# Altium PCB Nuio_LeftKeyboard_Rev_E.PcbDoc (part 3 of 3)
Units mm, origin at the board's own origin, x right, y up, seen from the top; angles counter-clockwise.
Board outline 89.01 x 24.63 mm, 4 copper layers (Top Layer, GND1, GND2, Bottom Layer), stack 0.971 mm thick; 150 components, 103 nets, 610 pads, 449 vias.
Unrouted connection lines stored in the file: 24.
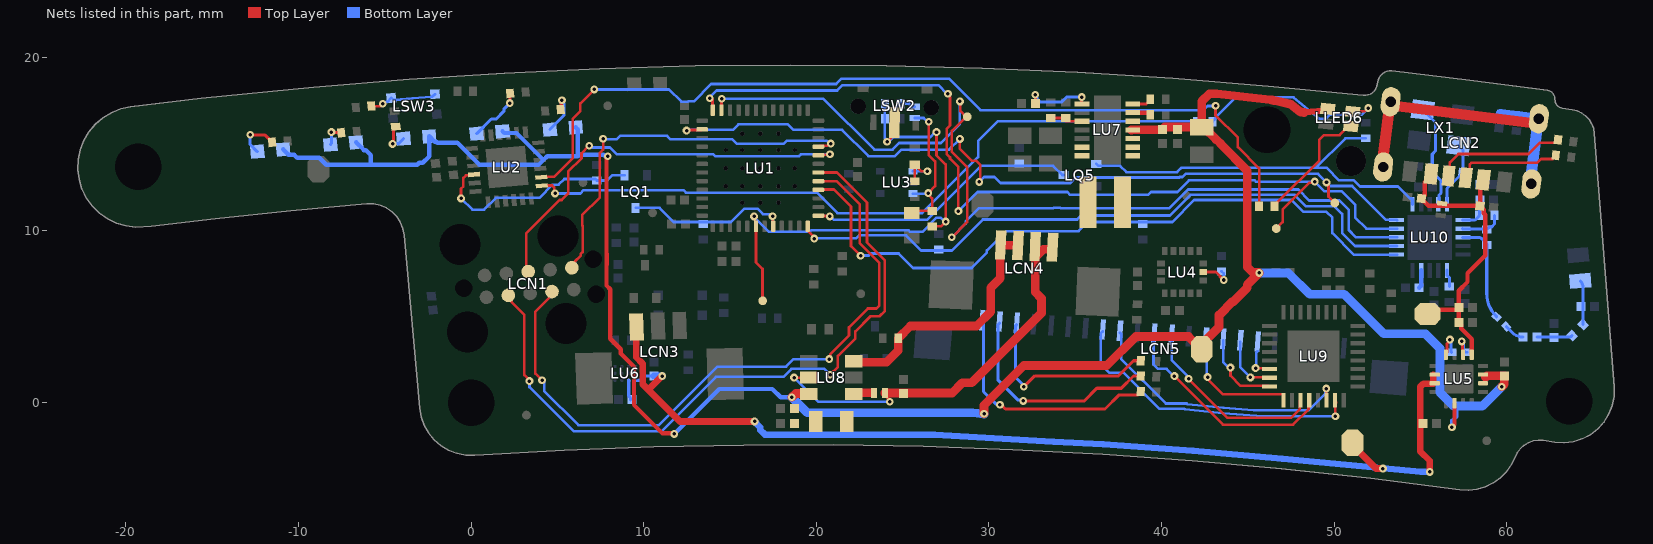
[diagram p5: the nets of this part, all layers, seen from the top]

## Via types
v1: diameter 0.45, hole 0.203, Top Layer to Bottom Layer, tented both sides, 435 vias
v2: diameter 0.406, hole 0.203, Top Layer to Bottom Layer, tented both sides, 14 vias

## Nets (pads, with @x,y where several pads share a name; then routed paths per layer and width w, separated by ;. In a path a pad name is that pad's centre, name@x,y a point inside that pad or via, vN(x,y) a via of type N, cw(c..) or ccw(c..) an arc to the next point about the centre after c; other vN are vias at no path point) (continued)
MTCK: LCN1.8 LU1.20 | length 23.5
  Top Layer w0.152: LCN1.8@3.192,7.896 3.189,7.898 3.189,9.81 5.121,11.742 5.246,11.742 5.619,12.116 5.619,13.386 6.396,14.163 6.396,14.445 v1(6.842,14.891) ; LU1.20@20.17,14.337 20.197,14.364 20.765,14.364 v1(20.792,14.391)
  Bottom Layer w0.152: v1(6.842,14.891) 6.869,14.917 6.897,14.917 7.024,14.79 8.046,14.79 8.449,14.387 14.03,14.387 14.134,14.283 19,14.283 19.108,14.391 v1(20.792,14.391)
MTDI: LCN1.2 LU1.18 | length 41.1
  Top Layer w0.152: LCN1.2@2.34,5.963 2.34,5.837 3.087,5.091 3.087,1.606 3.381,1.312 v1(3.381,1.259) ; LU1.18@20.17,13.337 21.192,13.337 22.938,11.591 22.938,9.285 23.97,8.253 23.97,5.32 23.661,5.011 23.146,5.011 22.264,4.129 22.264,3.724 21.248,2.708 21.248,2.076 v1(20.797,1.625)
  Bottom Layer w0.152: v1(3.381,1.259) 3.381,0.907 5.948,-1.66 11.021,-1.66 14.18,1.5 18.09,1.5 18.553,1.963 20.46,1.963 v1(20.797,1.625)
MTDO: LCN1.6 LU1.21 | length 22.3
  Top Layer w0.152: LCN1.6@5.937,8.105 5.955,8.105 6.034,8.184 6.034,8.202 6.344,8.512 6.344,8.609 6.458,8.723 6.458,10.247 6.437,10.268 ; 6.436,10.267 6.436,10.864 7.459,11.887 7.459,14.47 7.647,14.658 v1(7.647,15.295) ; LU1.21@20.17,14.837 20.221,14.888 20.631,14.888 20.76,15.016 v1(20.84,15.016)
  Bottom Layer w0.152: v1(7.647,15.295) 7.677,15.265 8.436,15.265 8.636,15.464 11.357,15.464 11.557,15.265 15.135,15.265 15.385,15.015 18.123,15.015 18.279,15.171 20.605,15.171 20.76,15.016 v1(20.84,15.016)
MTMS: LCN1.4 LU1.17 | length 38.8
  Top Layer w0.152: v1(4.113,1.307) 3.722,1.698 3.722,5.273 LCN1.4@4.595,6.146 ; LU1.17@20.17,12.837 21.169,12.837 22.518,11.488 22.518,9.235 23.649,8.104 23.649,5.635 23.476,5.461 22.987,5.461 21.895,4.369 21.895,3.898 20.81,2.812 20.81,2.583 v1(20.755,2.529)
  Bottom Layer w0.152: v1(4.113,1.307) 4.167,1.252 4.23,1.252 4.23,0.693 6.218,-1.295 10.877,-1.295 14.263,2.09 18.249,2.09 18.688,2.529 v1(20.755,2.529)
NetLC10_1: LC10.1 LD1.2 LR7.2 LU3.3 | length 8.5
  Top Layer w0.152: LC10.1@25.654,11.049 25.719,11.114 LR7.2@26.712,11.114 26.712,11.841 26.488,12.065 v1(26.488,12.146) 26.888,12.546 26.888,13.976 26.509,14.355 v1(26.509,16.282)
  Bottom Layer w0.152: LU3.3@25.602,12.108 26.45,12.108 v1(26.488,12.146) ; LD1.2@25.693,16.497 26.221,16.497 26.436,16.282 v1(26.509,16.282)
NetLC21_1: LC21.1 LCN2.SHELL1 LCN2.SHELL2 LCN2.SHELL3 LCN2.SHELL4 LR19.1 | length 18.7
  Top Layer w0.635: LCN2.SHELL1@52.744,13.466 52.781,13.764 53.179,16.939 53.216,17.237 LCN2.SHELL3@61.789,16.163
  Bottom Layer w0.635: LC21.1@59.651,16.711 60.667,16.584 61.824,16.439 61.789,16.163 61.752,15.866 61.354,12.691 LCN2.SHELL2@61.317,12.393
NetLC23_1: LC23.1 LU6.A3 | length 1.2
  Bottom Layer w0.178: LU6.A3@9.135,1.3 9.135,0.379 9.232,0.282 LC23.1@9.232,0.155
NetLC26_1: LC26.1 LCN4.3 LCN4.4 LD3.1 LU8.5 | length 23.2
  Top Layer w0.152: v1(18.708,1.455) LU8.5@19.492,1.455 ; LD3.1@23.986,0.566 23.986,0.441 24.196,0.231 24.196,0.085 v1@24.171,0.061 ; v1@24.169,0.058 v1@24.171,0.061 ; v1(24.253,0.061) v1@24.171,0.061
  Top Layer w0.508: LD3.1@23.986,0.566 27.871,0.566 28.46,1.155 29.008,1.155 33.04,5.187 33.04,6.052 32.68,6.413 32.68,8.423 33.147,8.89 33.594,8.89 33.679,8.975 LCN4.4@33.679,9.01
  Bottom Layer w0.152: v1(18.708,1.455) 20.105,0.058 24.25,0.058 v1(24.253,0.061)
NetLC32_1: LC32.1 LU7.1 | length 4
  Top Layer w0.178: v1(32.678,17.838) 32.687,17.829 32.687,17.34 LC32.1@32.697,17.33 ; v1(35.374,17.707) 35.374,17.367 35.435,17.306 LU7.1@35.464,17.306
  Bottom Layer w0.178: v1(32.678,17.838) 32.678,17.776 32.769,17.685 32.769,17.62 32.977,17.412 34.194,17.412 34.489,17.707 v1(35.374,17.707)
NetLC39_1: LC39.1 LU10.19 | length 1.1
  Bottom Layer w0.254: LC39.1@54.922,6.662 55.036,6.776 55.036,7.681 LU10.19@55.038,7.683
NetLC40_1: LC40.1 LL3.2 | length 1.2
  Bottom Layer w0.178: LL3.2@59.973,4.416 60.323,4.066 ccw(c60.941,4.684) LC40.1@60.941,3.81
NetLC40_2: LC40.2 LC41.1 LR45.1 | length 2.1
  Bottom Layer w0.178: LC40.2@61.741,3.81 63.598,3.81 ccw(c63.598,4.076) LR45.1@63.787,3.888
NetLC42_1: LC42.1 LE1.1 LR45.2 | length 2.6
  Bottom Layer w0.178: LE1.1@64.263,7.058 cw(c63.877,6.672) 64.423,6.672 LR45.2@64.423,4.524
NetLC43_1: LC43.1 LC44.1 LL5.2 LU10.11 | length 2.9
  Bottom Layer w0.178: LU10.11@57.438,10.583 58.17,10.583 58.39,10.803 LL5.2@58.39,10.853 58.415,10.878 58.415,12.606 LC44.1@58.44,12.631
NetLC45_1: LC45.1 LU10.9 LX1.3 | length 6.1
  Bottom Layer w0.178: LX1.3@55.143,16.969 55.146,16.969 55.874,16.24 55.874,14.593 55.681,14.399 LC45.1@55.681,13.597 55.869,13.409 55.869,13.18 56.185,12.864 56.185,12.144 56.074,12.033 56.074,11.519 LU10.9@56.038,11.483
NetLC46_1: LC46.1 LU10.10 LX1.1 | length 3.9
  Bottom Layer w0.178: LU10.10@56.538,11.483 56.538,12.422 LC46.1@57.459,13.343 57.459,14.641 LX1.1@57.202,14.897
NetLCN2_A5: LCN2.A5 LR14.2 | length 6.1
  Top Layer w0.152: LCN2.A5@57.617,13.033 57.845,13.261 57.845,13.796 57.951,13.901 61.761,13.901 61.984,14.125 62.657,14.125 62.838,14.306 LR14.2@62.838,14.338
NetLCN2_B5: LCN2.B5 LR15.2 | length 7.6
  Top Layer w0.152: LCN2.B5@56.624,13.147 56.702,13.225 56.702,13.922 57.189,14.409 61.253,14.409 61.902,15.058 62.796,15.058 LR15.2@62.965,15.227
NetLCN4_1: LCN4.1 LCN4.2 LR26.1 LU8.3 | length 14.7
  Top Layer w0.508: LU8.3@22.167,2.405 22.226,2.346 24.063,2.346 24.746,3.029 LR26.1@24.746,3.741 24.754,3.741 25.458,4.445 29.278,4.445 30.109,5.276 30.109,6.663 30.657,7.211 30.657,9.123 LCN4.1@30.682,9.148 30.705,9.125 31.658,9.125 LCN4.2@31.681,9.102
NetLCN5_20: LCN5.20 LR41.1 | length 11.2
  Top Layer w0.178: v1(32.02,0.924) 32.658,1.561 37.502,1.561 38.375,2.434 LR41.1@38.793,2.434
  Bottom Layer w0.178: LCN5.20@31.608,4.527 31.549,4.468 31.549,1.721 31.559,1.711 31.559,1.458 32.02,0.997 v1(32.02,0.924)
NetLCN5_21: LCN5.21 LR43.1 | length 12.7
  Top Layer w0.178: v1(31.987,0.106) 35.52,0.106 36.254,0.841 37.671,0.841 38.375,1.545 LR43.1@38.793,1.545
  Bottom Layer w0.178: LCN5.21@30.611,4.604 30.516,4.509 30.516,1.33 31.694,0.153 31.94,0.153 v1(31.987,0.106)
NetLCN5_22: LCN5.22 LR42.1 | length 14
  Top Layer w0.178: v1(30.635,-0.116) 30.709,-0.116 30.953,-0.36 36.724,-0.36 37.544,0.46 38.645,0.46 38.793,0.608 LR42.1@38.793,0.656
  Bottom Layer w0.178: LCN5.22@29.614,4.681 29.681,4.614 29.681,0.642 30.386,-0.064 30.583,-0.064 v1(30.635,-0.116)
NetLD1_1: LD1.1 LR5.2 | length 0.9
  Bottom Layer w0.178: LR5.2@24.873,17.33 25.385,17.33 25.568,17.147 LD1.1@25.693,17.147
NetLD3_2: LD3.2 LL2.2 LU8.1 | length 1
  Top Layer w0.508: LU8.1@22.242,0.605 22.261,0.586 LD3.2@23.225,0.586
NetLL1_1: LL1.1 LU7.8 LU7.9
NetLL1_2: LL1.2 LU7.6 LU7.7
NetLL3_1: LL3.1 LL4.1 LU10.13 | length 5.9
  Bottom Layer w0.178: LU10.13@57.438,9.583 58.332,9.583 cw(c58.332,9.238) 58.576,9.482 LL4.1@58.856,9.202 ; LL4.1@58.84,9.133 58.84,6.352 ccw(c60.777,6.352) LL3.1@59.407,4.982
NetLL4_2: LL4.2 LL5.1 LU10.12 | length 2.5
  Bottom Layer w0.178: LU10.12@57.438,10.083 57.463,10.058 58.815,10.058 LL4.2@58.84,10.033 58.976,10.169 59.106,10.169 59.29,10.353 LL5.1@59.29,10.853
NetLLED1_2: LLED1.2 LR30.1 | length 2.6
  Top Layer w0.178: v1(-12.796,15.523) -11.957,15.523 -11.731,15.297 -11.685,15.297 -11.526,15.138 LR30.1@-11.526,15.093
  Bottom Layer w0.178: v1(-12.796,15.523) -12.796,14.958 LLED1.2@-12.383,14.545
NetLLED2_2: LLED2.2 LR31.1 | length 1.3
  Top Layer w0.178: v1(-8.089,15.679) -8.072,15.662 -7.543,15.662 LR31.1@-7.522,15.64
  Bottom Layer w0.178: LLED2.2@-8.153,14.953 -8.089,15.016 v1(-8.089,15.679)
NetLLED3_2: LLED3.2 LR32.1 | length 1.8
  Top Layer w0.178: v1(-4.547,14.993) -4.495,15.045 -4.495,15.865 LR32.1@-4.367,15.993
  Bottom Layer w0.178: v1(-4.547,14.993) -4.53,15.01 -4.208,15.01 LLED3.2@-3.917,15.302
NetLLED4_2: LLED4.2 LR33.1 | length 3.3
  Top Layer w0.178: v1(2.24,17.363) 2.251,17.373 2.251,17.92 LR33.1@2.257,17.926
  Bottom Layer w0.178: LLED4.2@0.324,15.591 1.174,16.441 1.459,16.441 1.9,16.882 1.9,17.008 2.24,17.349 v1(2.24,17.363)
NetLLED5_2: LLED5.2 LR34.1 | length 2.6
  Top Layer w0.178: LR34.1@5.186,16.988 5.223,17.025 5.223,17.479 v1(5.264,17.521)
  Bottom Layer w0.178: LLED5.2@4.568,15.821 4.568,15.839 5.373,16.643 5.373,17.338 5.264,17.447 v1(5.264,17.521)
NetLLED6_1: LLED6.1 LR35.2 | length 11.4
  Top Layer w0.152: LLED6.1@50.996,16.887 51.748,16.887 51.935,17.074 v1(51.978,17.074)
  Bottom Layer w0.152: LR35.2@42.955,16.287 43.103,16.436 43.103,16.503 44.288,17.688 47.644,17.688 49.13,16.458 49.513,16.458 49.73,16.675 51.58,16.675 v1(51.978,17.074)
NetLLED6_2: LLED6.2 LR37.2 | length 7
  Top Layer w0.152: LR37.2@46.521,11.415 46.528,11.415 46.698,11.585 46.698,11.593 49.146,14.04 49.146,15.243 49.403,15.501 50.322,15.501 50.862,16.041 LLED6.2@50.907,16.041
NetLR9_2: LR9.2 LR10.1 LU3.1 | length 2.7
  Top Layer w0.152: LR10.1@25.693,12.827 LR9.2@25.693,13.79 26.069,13.414 v1(26.434,13.414)
  Bottom Layer w0.152: LU3.1@25.602,13.408 LU3.1@25.604,13.411 26.431,13.411 v1(26.434,13.414)
NetLR11_1: LR11.1 LU4.7 | length 2.2
  Top Layer w0.152: LU4.7@42.412,7.572 43.145,7.572 v1(43.606,7.111) 43.566,7.111 43.379,7.297
  Bottom Layer w0.152: LR11.1@43.473,7.609 43.606,7.476 v1(43.606,7.111)
NetLR21_1: LR21.1 LU5.16 | length 1.7
  Top Layer w0.178: LU5.16@56.473,2.853 56.525,2.904 56.525,3.403 56.708,3.586 v1(56.708,3.66)
  Bottom Layer w0.178: v1(56.708,3.66) 56.76,3.608 56.76,3.454 56.779,3.435 56.779,2.95 LR21.1@56.808,2.921
NetLR22_1: LR22.1 LU5.14 | length 1.5
  Top Layer w0.152: v1(57.395,3.551) 57.435,3.512 57.435,2.893 LU5.14@57.474,2.853
  Bottom Layer w0.152: v1(57.395,3.551) 57.395,3.471 57.498,3.368 57.498,3.07 57.647,2.921 LR22.1@57.697,2.921
NetLR23_2: LR23.2 LU7.14 | length 1.2
  Top Layer w0.152: LU7.14@38.264,17.306 39.112,17.306 39.34,17.534 LR23.2@39.34,17.584
NetLR24_2: LR24.2 LR27.1 LU7.3 | length 2
  Top Layer w0.152: LR27.1@33.567,16.499 34.269,16.499 34.462,16.306 LU7.3@35.464,16.306
NetLR28_1: LR28.1 LU7.13 | length 1.1
  Top Layer w0.254: LU7.13@38.264,16.806 39.242,16.806 39.34,16.708 LR28.1@39.34,16.695
NetLR29_2: LR29.2 LSW3.3 LSW3.4 | length 4
  Top Layer w0.152: LR29.2@-5.775,17.184 -5.25,17.184 v1(-5.116,17.318)
  Bottom Layer w0.152: v1(-5.116,17.318) -5.036,17.318 -4.926,17.428 -4.85,17.428 -4.627,17.65 LSW3.3@-4.627,17.654 -4.418,17.542 -3.418,17.629 ccw(c-3.458,18.081) -3.415,17.629 -2.274,17.729 LSW3.4@-2.087,17.877
NetLR49_1: LR49.1 LU10.16 | length 1
  Bottom Layer w0.178: LU10.16@56.538,7.683 56.538,7.383 56.574,7.347 56.577,7.347 56.681,7.243 LR49.1@56.681,6.731
NRF_CE: LR46.2 LU1.16 LU10.1 | length 40.3
  Top Layer w0.152: LU1.16@20.17,12.337 20.19,12.357 21.014,12.357 22.01,11.361 22.01,9.069 v1(22.561,8.517)
  Bottom Layer w0.152: v1@22.561,8.527 23.037,8.527 23.153,8.643 24.771,8.643 25.608,7.805 28.995,7.805 29.884,8.694 29.884,8.821 31.003,9.94 35.194,9.94 35.726,10.472 38.898,10.472 39.481,10.472 40.62,10.472 41.89,11.742 47.537,11.742 48.217,11.062 49.55,11.062 49.889,10.722 49.889,9.825 51.131,8.583 LU10.1@53.638,8.583
NRF_CS: LR48.1 LU1.12 LU10.2 | length 38.2
  Top Layer w0.152: LU1.12@19.504,10.151 19.504,9.955 19.884,9.575 v1(19.884,9.51)
  Bottom Layer w0.152: v1(19.884,9.51) 19.894,9.521 22.312,9.521 22.484,9.693 25.202,9.693 26.074,8.821 27.09,8.821 27.852,8.821 29.65,10.619 30.714,10.619 ; 30.715,10.619 35.11,10.619 35.34,10.848 40.487,10.848 41.685,12.047 47.709,12.047 48.378,11.377 50.015,11.377 50.458,10.935 50.458,9.837 51.212,9.083 LU10.2@53.638,9.083
NRF_INT: LQ5.3 LR44.2 LU1.13 | length 15.8
  Top Layer w0.152: LU1.13@20.17,10.837 20.192,10.815 20.751,10.815 v1(20.772,10.794)
  Bottom Layer w0.152: v1(20.772,10.794) 20.816,10.794 21.01,10.599 26.402,10.599 29.526,13.723 33.72,13.723 34.253,13.191 LQ5.3@34.318,13.191
NRF_INT_RAW: LQ5.1 LR47.2 LU10.6 | length 23.2
  Bottom Layer w0.152: LQ5.1@36.218,13.841 36.335,13.723 37.597,13.723 37.965,13.355 40.895,13.355 41.134,13.594 ; 41.145,13.605 49.573,13.605 50.293,12.885 51.143,12.885 51.499,12.529 53.7,12.529 54.397,11.832 54.489,11.832 54.538,11.783 LU10.6@54.538,11.483 ; 48.958,13.62 50.658,15.321 LR47.2@51.836,15.321
RESET_RAW: LR5.1 LR7.1 LR8.1 LSW2.2 LTP14.1 LU1.6 | length 30
  Top Layer w0.152: v1(16.393,10.793) 16.45,10.736 16.45,10.624 16.455,10.62 16.455,10.27 LU1.6@16.504,10.222 ; LU1.6@16.504,10.171 16.504,8.132 16.88,7.755 16.88,5.915 LTP14.1@16.89,5.905 ; v1(24.097,15.119) 24.53,15.552 LSW2.2@24.53,16.231 ; LR7.1@26.712,10.214 27.215,10.214 v1(27.494,10.493) ; v1(26.962,15.679) 26.962,14.332 27.494,13.8 v1(27.494,10.493)
  Bottom Layer w0.152: v1(16.393,10.793) 16.393,10.762 17.249,9.906 19.638,9.906 19.73,9.998 25.328,9.998 25.42,9.906 26.14,9.906 26.96,10.726 27.181,10.726 27.414,10.493 v1(27.494,10.493) ; LR5.1@23.973,17.33 LR8.1@23.973,16.441 23.973,15.323 24.097,15.199 v1(24.097,15.119) 24.177,15.119 24.458,15.399 26.601,15.399 26.882,15.679 v1(26.962,15.679)
ROW0: LCN5.12 LU9.12 | length 13
  Top Layer w0.152: v1(40.742,1.545) 43.558,-1.27 47.625,-1.27 48.513,-0.382 48.513,0.104 LU9.12@48.557,0.148
  Bottom Layer w0.152: LCN5.12@39.584,3.911 39.536,3.862 39.536,2.217 39.79,1.963 40.298,1.963 v1@40.729,1.532
ROW1: LCN5.9 LU9.9 | length 7.4
  Top Layer w0.152: v1(42.667,1.484) 42.724,1.427 42.724,1.308 43.535,0.497 47.013,0.497 47.057,0.453 LU9.9@47.057,0.148
  Bottom Layer w0.152: LCN5.9@42.575,3.68 42.61,3.645 42.61,1.541 v1(42.667,1.484)
ROW2: LCN5.8 LU9.8 | length 4.7
  Top Layer w0.152: v1(43.993,2.037) 43.993,1.57 44.588,0.975 LU9.8@46.156,0.975
  Bottom Layer w0.152: LCN5.8@43.572,3.602 43.572,2.347 43.826,2.094 43.936,2.094 v1(43.993,2.037)
ROW3: LCN5.6 LU9.6 | length 1.7
  Top Layer w0.152: v1(45.446,2.009) 45.463,1.992 46.14,1.992 LU9.6@46.157,1.975
  Bottom Layer w0.152: v1(45.446,2.009) 45.489,2.052 45.489,2.915 45.548,2.973 LCN5.6@45.567,2.973
ROW4: LCN5.7 LU9.7 | length 3.4
  Top Layer w0.152: v1(45.151,1.468) 46.149,1.468 LU9.7@46.157,1.475
  Bottom Layer w0.152: LCN5.7@44.569,3.525 44.569,2.049 v1(45.151,1.468) v1@45.151,1.537
ROW5: LCN5.11 LU9.11 | length 11
  Top Layer w0.152: v1(41.563,1.386) 43.822,-0.873 47.51,-0.873 48.013,-0.37 48.013,0.104 LU9.11@48.057,0.148
  Bottom Layer w0.152: LCN5.11@40.581,3.834 40.581,2.486 v1@41.622,1.445 ; v1(41.563,1.386) 41.568,1.386 v1@41.625,1.443
ROW6: LCN5.15 LU9.15 | length 17.6
  Top Layer w0.152: LU9.15@50.057,0.075 50.125,0.006 50.067,-0.053 50.067,-0.77 v1(50.077,-0.78)
  Bottom Layer w0.152: LCN5.15@36.593,4.142 36.488,4.036 36.488,2.217 36.965,1.74 37.789,1.74 39.877,-0.348 40.578,-0.348 41.265,-0.348 41.324,-0.348 41.349,-0.374 43.558,-0.602 45.893,-0.784 v1@50.072,-0.784
ROW7: LCN5.14 LU9.14 | length 15.9
  Top Layer w0.152: v1(49.543,0.821) 49.55,0.814 49.55,0.155 LU9.14@49.557,0.148
  Bottom Layer w0.152: LCN5.14@37.59,4.065 37.662,3.993 37.662,2.542 40.248,-0.044 41.387,-0.044 41.45,-0.044 41.488,-0.082 43.585,-0.299 45.34,-0.436 48.518,-0.436 49.49,0.536 49.49,0.768 v1(49.543,0.821)
STATUS_LEDG: LR37.1 LU2.8 | length 51.3
  Top Layer w0.152: LU2.8@4.059,13.068 4.078,13.087 4.813,13.087 5.881,14.155 5.881,16.435 6.334,16.888 6.334,17.342 v1(7.141,18.149) ; v1(43.128,17.205) 43.128,16.646 44.417,15.357 44.417,14.803 45.649,13.571 LR37.1@45.649,11.387
  Bottom Layer w0.152: v1(7.141,18.149) 11.465,18.149 12.176,17.438 12.552,17.438 12.57,17.457 12.901,17.457 13.91,18.466 21.145,18.466 21.449,18.77 27.681,18.77 29.503,16.949 42.43,16.949 42.674,17.193 43.116,17.193 v1(43.128,17.205)
STATUS_LEDR: LR35.1 LU2.7 | length 41.8
  Top Layer w0.152: LU2.7@4.102,12.57 4.121,12.588 4.692,12.588 4.808,12.472 4.808,12.18 v1(4.865,12.123)
  Bottom Layer w0.152: v1(4.865,12.123) 6.326,12.123 6.518,12.314 12.293,12.314 12.441,12.167 20.041,12.167 21.227,10.98 26.122,10.98 29.376,14.234 29.376,15.171 30.519,16.314 LR35.1@42.134,16.314
UI_INT: LQ1.3 LR4.2 LU1.8 | length 9.4
  Top Layer w0.152: v1(17.466,10.807) 17.485,10.789 17.485,10.24 LU1.8@17.504,10.222
  Bottom Layer w0.152: LQ1.3@9.536,11.286 10.92,11.286 11.737,10.469 15.058,10.469 15.836,11.247 16.581,11.247 16.906,10.922 17.271,10.922 17.386,10.807 v1(17.466,10.807)
UI_INT_RAW: LQ1.1 LR6.2 LU2.22 | length 12.6
  Top Layer w0.152: v1(-0.582,11.838) -0.582,12.403 -0.445,12.54 -0.445,13.025 -0.298,13.172 0.112,13.172 LU2.22@0.17,13.23
  Bottom Layer w0.152: v1(-0.582,11.838) 0.07,11.186 0.752,11.186 1.436,11.869 3.963,11.869 4.725,12.632 5.073,12.632 5.407,12.966 7.201,12.966 LR6.2@7.288,12.879 7.878,12.879 8.186,13.186 LQ1.1@8.886,13.186
USB_VIN: LC16.1 LC17.1 LC18.1 LC19.1 LCN2.A9 LCN2.B9 LD2.1 LTP1.1 LU5.13 | length 17.9
  Top Layer w0.254: LTP1.1@55.411,5.138 55.666,5.394 57.085,5.394 LC18.1@57.218,5.527 ; LCN2.A9@55.512,13.039 55.238,12.764 55.238,12.015 LC17.1@55.046,11.824 55.464,11.406 LC16.1@58.442,11.406 ; LU5.13@57.974,2.853 57.974,3.686 57.36,4.3 57.36,4.509 LC19.1@57.227,4.642 57.218,4.651 LC18.1@57.218,5.527 ; LCN2.B9@58.529,12.661 58.472,12.604 58.472,11.436 LC16.1@58.442,11.406 ; LC18.1@57.218,5.527 57.218,6.494 57.724,7 57.724,7.498 58.753,8.527 58.753,10.888 58.67,10.971 58.67,11.179 LC16.1@58.442,11.406
VBAT: LC20.1 LC22.1 LCN3.1 LTP11.1 LU5.2 LU5.3 LU6.A4 | length 62.3
  Top Layer w0.381: LCN3.1@9.581,4.396 9.564,4.378 9.564,2.639 9.934,2.269 9.934,1.085 10.199,0.82 ; v1(11.079,1.545) 11.06,1.545 10.336,0.82 10.199,0.82 ; v1(16.422,-1.085) 12.104,-1.085 10.199,0.82 ; LTP11.1@51.066,-2.324 51.066,-2.451 52.424,-3.81 52.822,-3.81 v1(52.827,-3.815) ; v1(55.538,-4.006) 55.533,-4.001 55.533,-3.366 54.981,-2.814 54.981,0.91 55.182,1.111 55.732,1.111 55.749,1.128 LU5.2@55.749,1.628
  Bottom Layer w0.178: LU6.A4@9.535,1.3 9.539,1.304 9.805,1.304 10.059,1.558 10.581,1.558 LC22.1@10.586,1.554
  Bottom Layer w0.381: LC22.1@10.586,1.554 10.591,1.549 11.074,1.549 v1(11.079,1.545) ; v1(16.422,-1.085) 16.422,-1.092 16.755,-1.425 16.755,-1.578 17.025,-1.847 26.824,-1.847 cw(c26.824,-2.228) 26.847,-1.848 33.748,-2.262 36.613,-2.414 cw(c36.583,-2.985) 36.624,-2.415 41.811,-2.786 cw(c41.77,-3.356) 41.822,-2.787 47.002,-3.253 cw(c46.95,-3.822) 47.004,-3.253 52.828,-3.799 55.03,-4.006 v1(55.538,-4.006)
VSPI_CLK: LTP3.1 LU1.35 LU10.3 | length 55.6
  Top Layer w0.152: LU1.35@14.504,17.003 14.51,17.009 14.51,17.603 v1(14.515,17.609) ; v1(27.852,9.583) 28.741,10.472 28.741,13.647 27.852,14.536 27.852,15.743 LTP3.1@28.677,16.568 ; v1(28.319,17.452) 28.346,17.426 28.346,16.899 LTP3.1@28.677,16.568 ; LTP3.1@28.741,16.568 LTP3.1@28.677,16.568
  Bottom Layer w0.152: v1(14.515,17.609) 20.411,17.609 23.357,14.663 24.423,14.663 24.804,15.044 27.217,15.044 28.319,16.147 v1(28.319,17.452) ; v1(27.852,9.583) 28.654,10.386 28.654,10.513 29.4,11.258 33.725,11.258 33.761,11.295 34.137,11.295 34.174,11.258 40.444,11.258 41.537,12.352 47.92,12.352 48.552,11.72 50.302,11.72 50.839,11.183 50.839,10.022 51.278,9.583 LU10.3@53.638,9.583
VSPI_MISO: LTP5.1 LU1.38 LU10.5 | length 48.2
  Top Layer w0.152: v1(12.482,15.767) 12.518,15.802 13.303,15.802 LU1.38@13.338,15.837 ; v1(28.317,15.282) 28.317,14.706 28.995,14.028 29.249,14.028 29.503,13.774 29.503,13.033 29.494,13.025 29.494,12.852 v1(29.437,12.795) ; v1@49.673,12.579 49.673,11.944 LTP5.1@50.041,11.576
  Bottom Layer w0.152: v1(12.482,15.767) 12.522,15.806 15.171,15.806 15.494,16.129 18.346,16.129 18.669,15.806 21.502,15.806 23.026,14.282 24.55,14.282 24.931,14.663 27.697,14.663 v1(28.317,15.282) ; v1(29.437,12.795) 29.723,13.081 30.318,13.081 30.671,12.727 34.715,12.727 35.037,13.05 41.021,13.05 41.052,13.081 41.209,13.081 41.394,13.266 49.061,13.266 49.772,12.555 51.042,12.555 51.663,11.933 52.998,10.599 53.622,10.599 LU10.5@53.638,10.583
  other v1: 49.556,12.765
VSPI_MOSI: LTP8.1 LU1.36 LU10.4 | length 54
  Top Layer w0.152: v1(13.832,17.639) 13.912,17.639 13.977,17.575 13.988,17.575 13.988,17.02 LU1.36@14.004,17.003 ; v1(27.627,17.898) 27.627,17.817 27.741,17.704 27.741,16.063 27.547,15.869 27.547,14.41 27.741,14.215 27.741,14.138 28.233,13.647 v1(28.233,11.107) ; LTP8.1@46.648,10.091 47.016,10.459 47.016,11.209 48.562,12.756 48.833,12.756 v1@48.91,12.832
  Bottom Layer w0.152: v1(13.832,17.639) 13.832,17.701 14.223,18.092 21.202,18.092 21.51,18.4 27.074,18.4 27.576,17.898 v1(27.627,17.898) ; v1(28.233,11.107) 29.337,12.211 34.544,12.211 34.709,12.046 39.224,12.046 39.389,12.211 40.918,12.211 41.592,12.885 45.398,12.885 45.47,12.812 v1(48.873,12.812) ; v1@48.908,12.783 48.908,12.771 49.429,12.25 50.444,12.25 51.22,11.475 51.22,10.726 51.863,10.083 LU10.4@53.638,10.083
VSYS: LC15.1 LC24.1 LC25.1 LC27.1 LC28.1 LC29.1 LL2.1 LLED1.1 LLED2.1 LLED3.1 LLED4.1 LLED5.1 LLED6.4 LTP9.1 LU5.6 LU5.10 LU5.11 LU7.10 LU7.11 LU7.12 LU8.6 | length 134.6
  Top Layer w0.254: v1@7.845,14.26 7.845,8.637 7.852,8.63 7.852,7.984 7.845,7.978 7.845,6.792 8.067,6.57 8.067,3.713 8.675,3.106 8.675,2.852 9.437,2.09 9.437,-0.125 11.087,-1.775 11.733,-1.775 v1(11.765,-1.807) ; LLED6.4@49.496,16.981 LLED6.4@49.554,17.038 ; v1(56.821,-1.416) 56.974,-1.263 LU5.6@56.974,-0.097
  Top Layer w0.381: 48.248,16.818 49.373,16.908 49.428,16.941 LLED6.4@49.496,16.981
  Top Layer w0.508: v1(18.581,0.312) 18.803,0.534 19.421,0.534 LU8.6@19.492,0.605 ; v1(29.718,-0.635) 29.718,-0.14 32.017,2.159 36.83,2.159 38.503,3.832 41.562,3.832 LTP9.1@42.288,3.106 ; LU7.11@38.264,15.806 38.275,15.818 39.539,15.818 39.54,15.819 40.038,15.819 LC27.1@40.044,15.825 40.19,15.971 LC29.1@42.33,15.971 ; LTP9.1@42.182,3.254 43.336,4.408 43.336,5.076 44.129,5.87 44.175,5.87 44.971,6.666 44.971,6.835 v1(45.657,7.521) 45.615,7.563 45.269,7.563 44.971,7.86 44.971,13.44 43.411,15 43.411,15.014 43.173,15.252 43.159,15.252 42.751,15.661 42.751,15.75 42.53,15.971 LC29.1@42.33,15.971 ; 48.248,16.818 cw(c48.25,17.326) 47.928,16.933 47.927,16.934 47.501,17.285 ccw(c47.317,16.811) 47.43,17.307 47.428,17.307 46.494,17.518 ccw(c46.108,15.804) 46.307,17.549 43.201,17.904 ccw(c43.143,17.399) 43.143,17.907 42.777,17.907 42.33,17.46 LC29.1@42.33,15.971 ; 58.774,1.483 58.854,1.563 LC15.1@59.856,1.563 59.85,1.557 59.85,1.073 v1(59.703,0.926)
  Bottom Layer w0.254: LLED1.1@-10.889,14.676 -10.583,14.369 -10.254,14.369 -10.079,14.194 -8.799,14.194 -8.398,13.793 -5.803,13.793 ; LLED2.1@-6.658,15.084 -6.211,14.636 -6.103,14.636 -5.803,14.337 -5.803,13.793 ; LLED4.1@1.818,15.722 1.91,15.63 2.633,15.63 4.195,14.068 4.195,14.063 ; LLED5.1@6.062,15.952 6.178,15.836 6.178,14.377 6.273,14.377 ; v1(7.913,14.282) 7.875,14.32 7.737,14.32 7.679,14.377 6.273,14.377 ; v1(11.765,-1.807) 14.371,0.799 17.452,0.799 17.939,0.312 v1(18.581,0.312) ; v1(56.821,-1.416) 56.85,-1.386 56.85,-1.031 57.062,-0.819 57.062,-0.196 ; -5.803,13.793 -3.117,13.793 -3.009,13.901 -2.793,13.901 -2.422,14.272 LLED3.1@-2.422,15.433 -2.116,15.126 -2.023,15.126 -1.967,15.071 -0.803,15.071 0.472,13.796 3.929,13.796 4.195,14.063 ; 4.195,14.063 4.414,14.282 6.178,14.282 6.273,14.377
  Bottom Layer w0.508: v1(18.581,0.312) 19.47,-0.577 29.069,-0.577 v1@29.716,-0.649 ; v1(45.657,7.521) 47.343,7.521 48.583,6.281 50.585,6.281 52.871,3.995 55.284,3.995 56.126,3.152 56.126,0.612 56.935,-0.196 57.062,-0.196 58.581,-0.196 v1(59.703,0.926)
pads on no net: LCN1.0 LCN2.0 LLED6.3 LSW2.0 LU1.0 LU1.2 LU1.22 LU1.25 LU1.26 LU1.27 LU1.28 LU1.29 LU1.30 LU1.31 LU1.32 LU1.33 LU1.44 LU1.45 LU1.47 LU1.48 LU2.3 LU2.4 LU2.5 LU2.6 LU4.2 LU4.3 LU4.9 LU5.12 LU5.15 LU6.B3 LU6.B4 LU6.C3 LU6.C4 LU9.21 LU9.22 LU9.23 LU9.24

## Polygon pours and split planes (outlines as drawn)
GND on Top Layer "GND_TOP" (solid, remove dead copper, pour order 25): 67.349,-6.8 -38.696,-6.8 -38.696,22.41 67.349,22.41
NetLL1_2 on Top Layer "NetL2_2_TOP" (solid, remove dead copper, pour order 17): 35.945,15.053 35.945,13.628 36.509,13.064 36.509,9.889 34.731,9.889 34.477,10.143 34.477,14.842 34.687,15.053
NetLL1_1 on Top Layer "NetL2_1_TOP" (solid, remove dead copper, pour order 15): 37.764,15.023 39.019,15.023 39.61,14.432 39.61,10.114 39.356,9.86 37.197,9.86 37.197,13.035 37.764,13.602
VSYS on Top Layer "VSYS_TOP" (solid, remove dead copper, pour order 20): 37.808,16.466 37.808,16.477 37.808,15.146 38.697,15.146 39.231,15.679 39.231,15.933 38.672,16.492 37.808,16.492
VSYS on Top Layer "VSYS_TOP" (solid, remove dead copper, pour order 24): 58.252,0.978 59.903,0.978 60.284,1.359 60.284,1.867 58.252,1.867
VSYS on Top Layer "VSYS_TOP" (solid, remove dead copper, pour order 9): 18.327,0.566 18.708,0.947 20.105,0.947 20.105,-0.069 20.486,-0.45 20.486,-1.72 18.327,-1.72
NetLD3_2 on Top Layer "NetD2_2_TOP" (solid, remove dead copper, pour order 4): 21.248,-1.72 22.264,-1.72 23.534,-0.45 23.534,0.947 21.629,0.947 21.248,0.566
3V3 on Top Layer "3V3_TOP" (solid, remove dead copper, pour order 19): 33.221,15.974 33.135,16.06 30.772,16.06 30.594,15.882 30.594,15.046 30.721,14.919 34.277,14.919 34.521,15.162 35.967,15.162 35.967,15.974
GND on GND1 "GND_INNER1" (solid, remove dead copper, pour order 23): 67.349,-6.8 -38.696,-6.8 -38.696,22.41 67.349,22.41
GND on GND2 "GND_INNER2" (solid, remove dead copper, pour order 22): 67.349,-6.8 -38.696,-6.8 -38.696,22.41 67.349,22.41
GND on Bottom Layer "GND_BOT" (solid, remove dead copper, pour order 21): 67.349,-6.8 -38.696,-6.8 -38.696,22.41 67.349,22.41

## Keep-outs
Bottom Layer:
  circle w0.254: c63.611,0.079 r2.6
  circle w0.254: c46.108,15.805 r2.6
  circle w0.254: c-19.287,13.671 r2.6
  circle w0.254: c0,0 r2.6

## Other copper
Top Layer:
  pour cut-out: 60.237,5.9 59.975,8.889 65.518,9.374 65.779,6.385
GND1:
  pour cut-out: 60.237,5.9 59.975,8.889 65.387,9.362 65.649,6.374
GND2:
  pour cut-out: 60.237,5.9 59.975,8.889 65.518,9.374 65.779,6.385
Bottom Layer:
  pour cut-out: 60.237,5.9 59.975,8.889 65.482,9.37 65.743,6.382

## Silkscreen, mask and mechanical layers (free items; w line width, h text height)
Top Overlay:
  text "Prog" at -2.356,6.408 h0.89 r96
  text "-" at 15.681,3.751 h1.02
  text "+" at 5.122,1.787 h1.02
  text "BAT" at 5.664,-1.346 h1.02 r90
Bottom Overlay:
  drawing of 4 lines, arcs and shapes, not listed
  text "Nuio_LeftKeyboard" at 40.495,6.877 h1.02
  text "Rev E" at 40.596,5.276 h1.02
Mechanical 1:
  drawing of 439 lines, arcs and shapes, not listed
  text "Fabrication Notes" at -66.903,89.554 h2.54
  text "'.ModifiedDate'" at -15.062,83.083 h1.52
  text "Nuio_LeftKeyboard_Rev_E" at -65.202,82.906 h1.52
  text "Ref Sch: Nuio_LeftKeyboard_Rev_E" at -65.021,79.535 h1.52
  text "Workmanship and Quality per IPC-A-600E," at -65.532,75.438 h1.52
  text "IPC-2221, IPC-6012    class 2" at -61.722,72.898 h1.52
  text "Layer" at 41.284,72.39 h1.52
  text "Name" at 51.695,72.39 h1.52
  text "Material" at 75.311,72.39 h1.52
  text "Thickness" at 101.212,72.39 h1.52
  text "Constant" at 117.718,72.39 h1.52
  text "Board Layer Stack" at 132.192,72.39 h1.52
  text "Board Thickness: 0.039 inches +/- 10%" at -65.532,70.231 h1.52
  text "Top Overlay" at 51.695,69.342 h1.52
  text "4 Layers   FR4" at -65.507,67.843 h1.52
  text "Top Solder" at 51.695,66.294 h1.52
  text "Solder Resist" at 75.311,66.294 h1.52
  text "0.60mil" at 101.212,66.294 h1.52
  text "3.8" at 117.718,66.294 h1.52
  text "See Stackup for copper thickness." at -65.583,65.049 h1.52
  text "1" at 41.284,63.246 h1.52
  text "Top Layer" at 51.695,63.246 h1.52
  text "1oz foil" at 75.311,63.246 h1.52
  text "1.80mil" at 101.212,63.246 h1.52
  text "No copper fill" at -65.303,61.9 h1.52
  text "Dielectric 2" at 51.695,60.198 h1.52
  text "370HR - 106_76%" at 75.311,60.198 h1.52
  text "4.12mil" at 101.212,60.198 h1.52
  text "3.69" at 117.718,60.198 h1.52
  text "ENIG finish" at -65.43,59.03 h1.52
  text "2" at 41.284,57.15 h1.52
  text "GND1" at 51.695,57.15 h1.52
  text "0.5oz foil" at 75.311,57.15 h1.52
  text "1.20mil" at 101.212,57.15 h1.52
  text "Solder Mask to be Black" at -65.583,56.21 h1.52
  text "Dielectric 1" at 51.695,54.102 h1.52
  text "Core" at 75.311,54.102 h1.52
  text "24.00mil" at 101.212,54.102 h1.52
  text "4.6" at 117.718,54.102 h1.52
  text "Legend to be White" at -65.456,53.797 h1.52
  text "3" at 41.284,51.054 h1.52
  text "GND2" at 51.695,51.054 h1.52
  text "0.5oz foil" at 75.311,51.054 h1.52
  text "1.20mil" at 101.212,51.054 h1.52
  text "Controlled Impedance:" at -65.456,50.622 h1.52
  text "Dielectric 3" at 51.695,48.006 h1.52
  text "370HR - 106_76%" at 75.311,48.006 h1.52
  text "4.12mil" at 101.212,48.006 h1.52
  text "3.69" at 117.718,48.006 h1.52
  text "Bottom: 50 Ohm Single Ended Coplanar" at -61.265,47.447 h1.52
  text "4" at 41.284,44.958 h1.52
  text "Bottom Layer" at 51.695,44.958 h1.52
  text "1oz foil" at 75.311,44.958 h1.52
  text "1.80mil" at 101.212,44.958 h1.52
  text "7 mil trace, 10 mil clearance" at -49.835,44.526 h1.52
  text "Bottom Solder" at 51.695,41.91 h1.52
  text "Solder Resist" at 75.311,41.91 h1.52
  text "0.60mil" at 101.212,41.91 h1.52
  text "3.8" at 117.718,41.91 h1.52
  text "+/- 10% tolerance" at -49.835,41.478 h1.52
  text "Bottom Overlay" at 51.695,38.862 h1.52
  text "No epoxy fill on vias" at -65.583,37.287 h1.52
  text "Total board thickness:" at 41.284,35.814 h1.52
  text "39.44mil" at 101.212,35.814 h1.52
  text "No clean" at -65.583,34.239 h1.52
  text "RoHS compliant with certification papers" at -65.583,31.191 h1.52
  text "Dimensions in mils." at -65.634,27.991 h1.52
Board Shape:
  lines w0.254: -22.783,13.514 -22.761,14.092 -22.645,14.658 -22.437,15.197 -22.142,15.695 -21.77,16.137 -21.331,16.513 -20.835,16.81 -20.297,17.022 -19.732,17.143 -15.623,17.628 -9.107,18.285 -3.59,18.741 1.934,19.097 7.463,19.354 12.996,19.51 18.531,19.566 24.066,19.523 29.599,19.379 35.129,19.136 40.654,18.792 46.171,18.349 51.679,17.806 51.826,17.805 51.97,17.832 52.106,17.886 52.228,17.966 52.333,18.068 52.416,18.189 52.474,18.323 52.505,18.466 52.516,18.56 52.546,18.703 52.605,18.838 52.688,18.958 52.793,19.061 52.916,19.14 53.052,19.195 53.196,19.221 53.343,19.22 57.856,18.689 62.361,18.09 62.451,18.069 62.535,18.032 62.611,17.98 62.676,17.916 62.728,17.84 62.765,17.756 62.787,17.667 62.791,17.575 62.796,17.483 62.817,17.394 62.855,17.31 62.907,17.235 62.971,17.17 63.047,17.118 63.131,17.081 63.22,17.06 63.797,16.976 64.078,16.907 64.34,16.786 64.574,16.617 64.771,16.406 64.924,16.162 65.027,15.892 65.354,14.035 66.244,2.61 66.215,0.373 66.112,-0.157 65.915,-0.66 65.632,-1.119 65.271,-1.52 64.844,-1.85 64.365,-2.098 63.849,-2.256 63.313,-2.319 62.774,-2.286 62.115,-2.185 61.825,-2.17 61.538,-2.21 61.264,-2.305 61.013,-2.452 60.795,-2.644 60.618,-2.874 60.489,-3.134 60.271,-3.587 59.981,-3.997 59.626,-4.353 59.217,-4.645 58.764,-4.864 58.282,-5.005 57.783,-5.064 57.281,-5.038 52.121,-4.383 46.951,-3.822 41.771,-3.356 36.583,-2.985 31.39,-2.709 26.192,-2.527 20.992,-2.441 15.791,-2.45 10.591,-2.554 5.394,-2.754 0.202,-3.048 -0.313,-3.037 -0.819,-2.939 -1.3,-2.755 -1.743,-2.492 -2.135,-2.157 -2.463,-1.76 -2.718,-1.313 -2.894,-0.828 -2.983,-0.321 -3.879,9.712 -3.951,10.096 -4.097,10.459 -4.311,10.786 -4.584,11.065 -4.906,11.286 -5.265,11.44 -5.647,11.522 -6.037,11.528 -10.438,11.127 -14.832,10.662 -18.54,10.213 -19.419,10.174 -19.993,10.243 -20.547,10.406 -21.067,10.658 -21.539,10.993 -21.949,11.4 -22.287,11.869 -22.543,12.387 -22.71,12.941 -22.783,13.514
Drill Drawing:
  circle w0.254: c-33.705,134.07 r0.508
  circle w0.254: c-33.705,134.07 r0.847
  circle w0.254: c-33.705,115.02 r0.847
  lines w0.254: -34.551,106.553 -32.858,106.553 -32.858,108.246 -34.551,108.246 -34.551,106.553 ; -34.551,110.786 -34.128,110.786 -33.705,110.363 -33.281,110.786 -32.858,110.786 -33.281,111.21 -32.858,111.633 -33.281,111.633 -33.705,112.056 -34.128,111.633 -34.551,111.633 -34.128,111.21 -34.551,110.786 ; -34.551,119.676 -32.858,119.676 -33.705,117.983 -34.551,119.676 ; -34.551,122.64 -33.705,121.793 -32.858,122.64 -33.705,123.486 -34.551,122.64 ; -34.551,125.603 -34.551,126.026 -34.128,126.45 -34.551,126.873 -34.551,127.296 -34.128,127.296 -33.705,126.873 -33.281,127.296 -32.858,127.296 -32.858,126.873 -33.281,126.45 -32.858,126.026 -32.858,125.603 -33.281,125.603 -33.705,126.026 -34.128,125.603 -34.551,125.603 ; -34.551,129.413 -33.705,129.836 -32.858,129.413 -33.281,130.26 -32.858,131.106 -33.705,130.683 -34.551,131.106 -34.128,130.26 -34.551,129.413
  lines w0.381: -36.07,105.41 127.005,105.41 ; -36.07,135.89 127.005,135.89 ; -22.078,101.6 -22.078,139.7 ; -6.842,101.6 -6.842,139.7 ; 22.36,101.6 22.36,139.7 ; 35.209,101.6 35.209,139.7 ; 53.848,101.6 53.848,139.7 ; 91.936,101.6 91.936,139.7 ; 106.918,101.6 106.918,139.7 ; -36.07,101.6 127.005,101.6 127.005,139.7 -36.07,139.7 -36.07,101.6
  text "Symbol" at -33.784,137.033 h1.83
  text "Count" at -20.935,137.033 h1.83
  text "Hole Size" at -5.699,137.033 h1.83
  text "Plated" at 23.503,137.033 h1.83
  text "Hole Type" at 36.352,137.033 h1.83
  text "Drill Layer Pair" at 54.991,137.033 h1.83
  text "Via/Pad" at 93.079,137.033 h1.83
  text "Pad Shape" at 108.061,137.033 h1.83
  text "449" at -20.935,133.223 h1.52
  text "8.00mil (0.203mm)" at -5.699,133.223 h1.52
  text "PTH" at 23.503,133.223 h1.52
  text "Round" at 36.352,133.223 h1.52
  text "Top Layer - Bottom Layer" at 54.991,133.223 h1.52
  text "Via" at 93.079,133.223 h1.52
  text "Rounded" at 108.061,133.223 h1.52
  text "21" at -20.935,129.413 h1.52
  text "9.84mil (0.250mm)" at -5.699,129.413 h1.52
  text "PTH" at 23.503,129.413 h1.52
  text "Round" at 36.352,129.413 h1.52
  text "Top Layer - Bottom Layer" at 54.991,129.413 h1.52
  text "Pad" at 93.079,129.413 h1.52
  text "Rounded" at 108.061,129.413 h1.52
  text "4" at -20.935,125.603 h1.52
  text "23.62mil (0.600mm)" at -5.699,125.603 h1.52
  text "PTH" at 23.503,125.603 h1.52
  text "Slot" at 36.352,125.603 h1.52
  text "Top Layer - Bottom Layer" at 54.991,125.603 h1.52
  text "Pad" at 93.079,125.603 h1.52
  text "Rounded" at 108.061,125.603 h1.52
  text "2" at -20.935,121.793 h1.52
  text "35.43mil (0.900mm)" at -5.699,121.793 h1.52
  text "PTH" at 23.503,121.793 h1.52
  text "Round" at 36.352,121.793 h1.52
  text "Top Layer - Bottom Layer" at 54.991,121.793 h1.52
  text "Pad" at 93.079,121.793 h1.52
  text "Rounded" at 108.061,121.793 h1.52
  text "3" at -20.935,117.983 h1.52
  text "39.37mil (1.000mm)" at -5.699,117.983 h1.52
  text "NPTH" at 23.503,117.983 h1.52
  text "Round" at 36.352,117.983 h1.52
  text "Top Layer - Bottom Layer" at 54.991,117.983 h1.52
  text "Pad" at 93.079,117.983 h1.52
  text "Rounded" at 108.061,117.983 h1.52
  text "1" at -20.935,114.173 h1.52
  text "68.90mil (1.750mm)" at -5.699,114.173 h1.52
  text "NPTH" at 23.503,114.173 h1.52
  text "Round" at 36.352,114.173 h1.52
  text "Top Layer - Bottom Layer" at 54.991,114.173 h1.52
  text "Pad" at 93.079,114.173 h1.52
  text "Rounded" at 108.061,114.173 h1.52
  text "4" at -20.935,110.363 h1.52
  text "93.50mil (2.375mm)" at -5.699,110.363 h1.52
  text "NPTH" at 23.503,110.363 h1.52
  text "Round" at 36.352,110.363 h1.52
  text "Top Layer - Bottom Layer" at 54.991,110.363 h1.52
  text "Pad" at 93.079,110.363 h1.52
  text "Rounded" at 108.061,110.363 h1.52
  text "4" at -20.935,106.553 h1.52
  text "106.30mil (2.700mm)" at -5.699,106.553 h1.52
  text "PTH" at 23.503,106.553 h1.52
  text "Round" at 36.352,106.553 h1.52
  text "Top Layer - Bottom Layer" at 54.991,106.553 h1.52
  text "Pad" at 93.079,106.553 h1.52
  text "Rounded" at 108.061,106.553 h1.52
  text "488 Total" at -20.935,102.743 h1.52
  text "Slot definitions :" at -33.784,99.06 h1.52
  text "Routed Path Length" at -7.554,99.06 h1.52
  text "= Calculated from tool start centre position to tool end centre position." at 20.454,99.06 h1.52
  text "Hole Length" at -7.554,96.521 h1.52
  text "= Routed Path Length + Tool Size = Slot length as defined in the PCB layout" at 10.044,96.521 h1.52

## Text inside footprints (layer, text, board x,y; h text height)
LCN1: Top Overlay "ICSP" at 1.69,1.836 h0.64 r5